# Altium PCB BeagleNode_revA.PcbDoc (part 2 of 2) (continued)
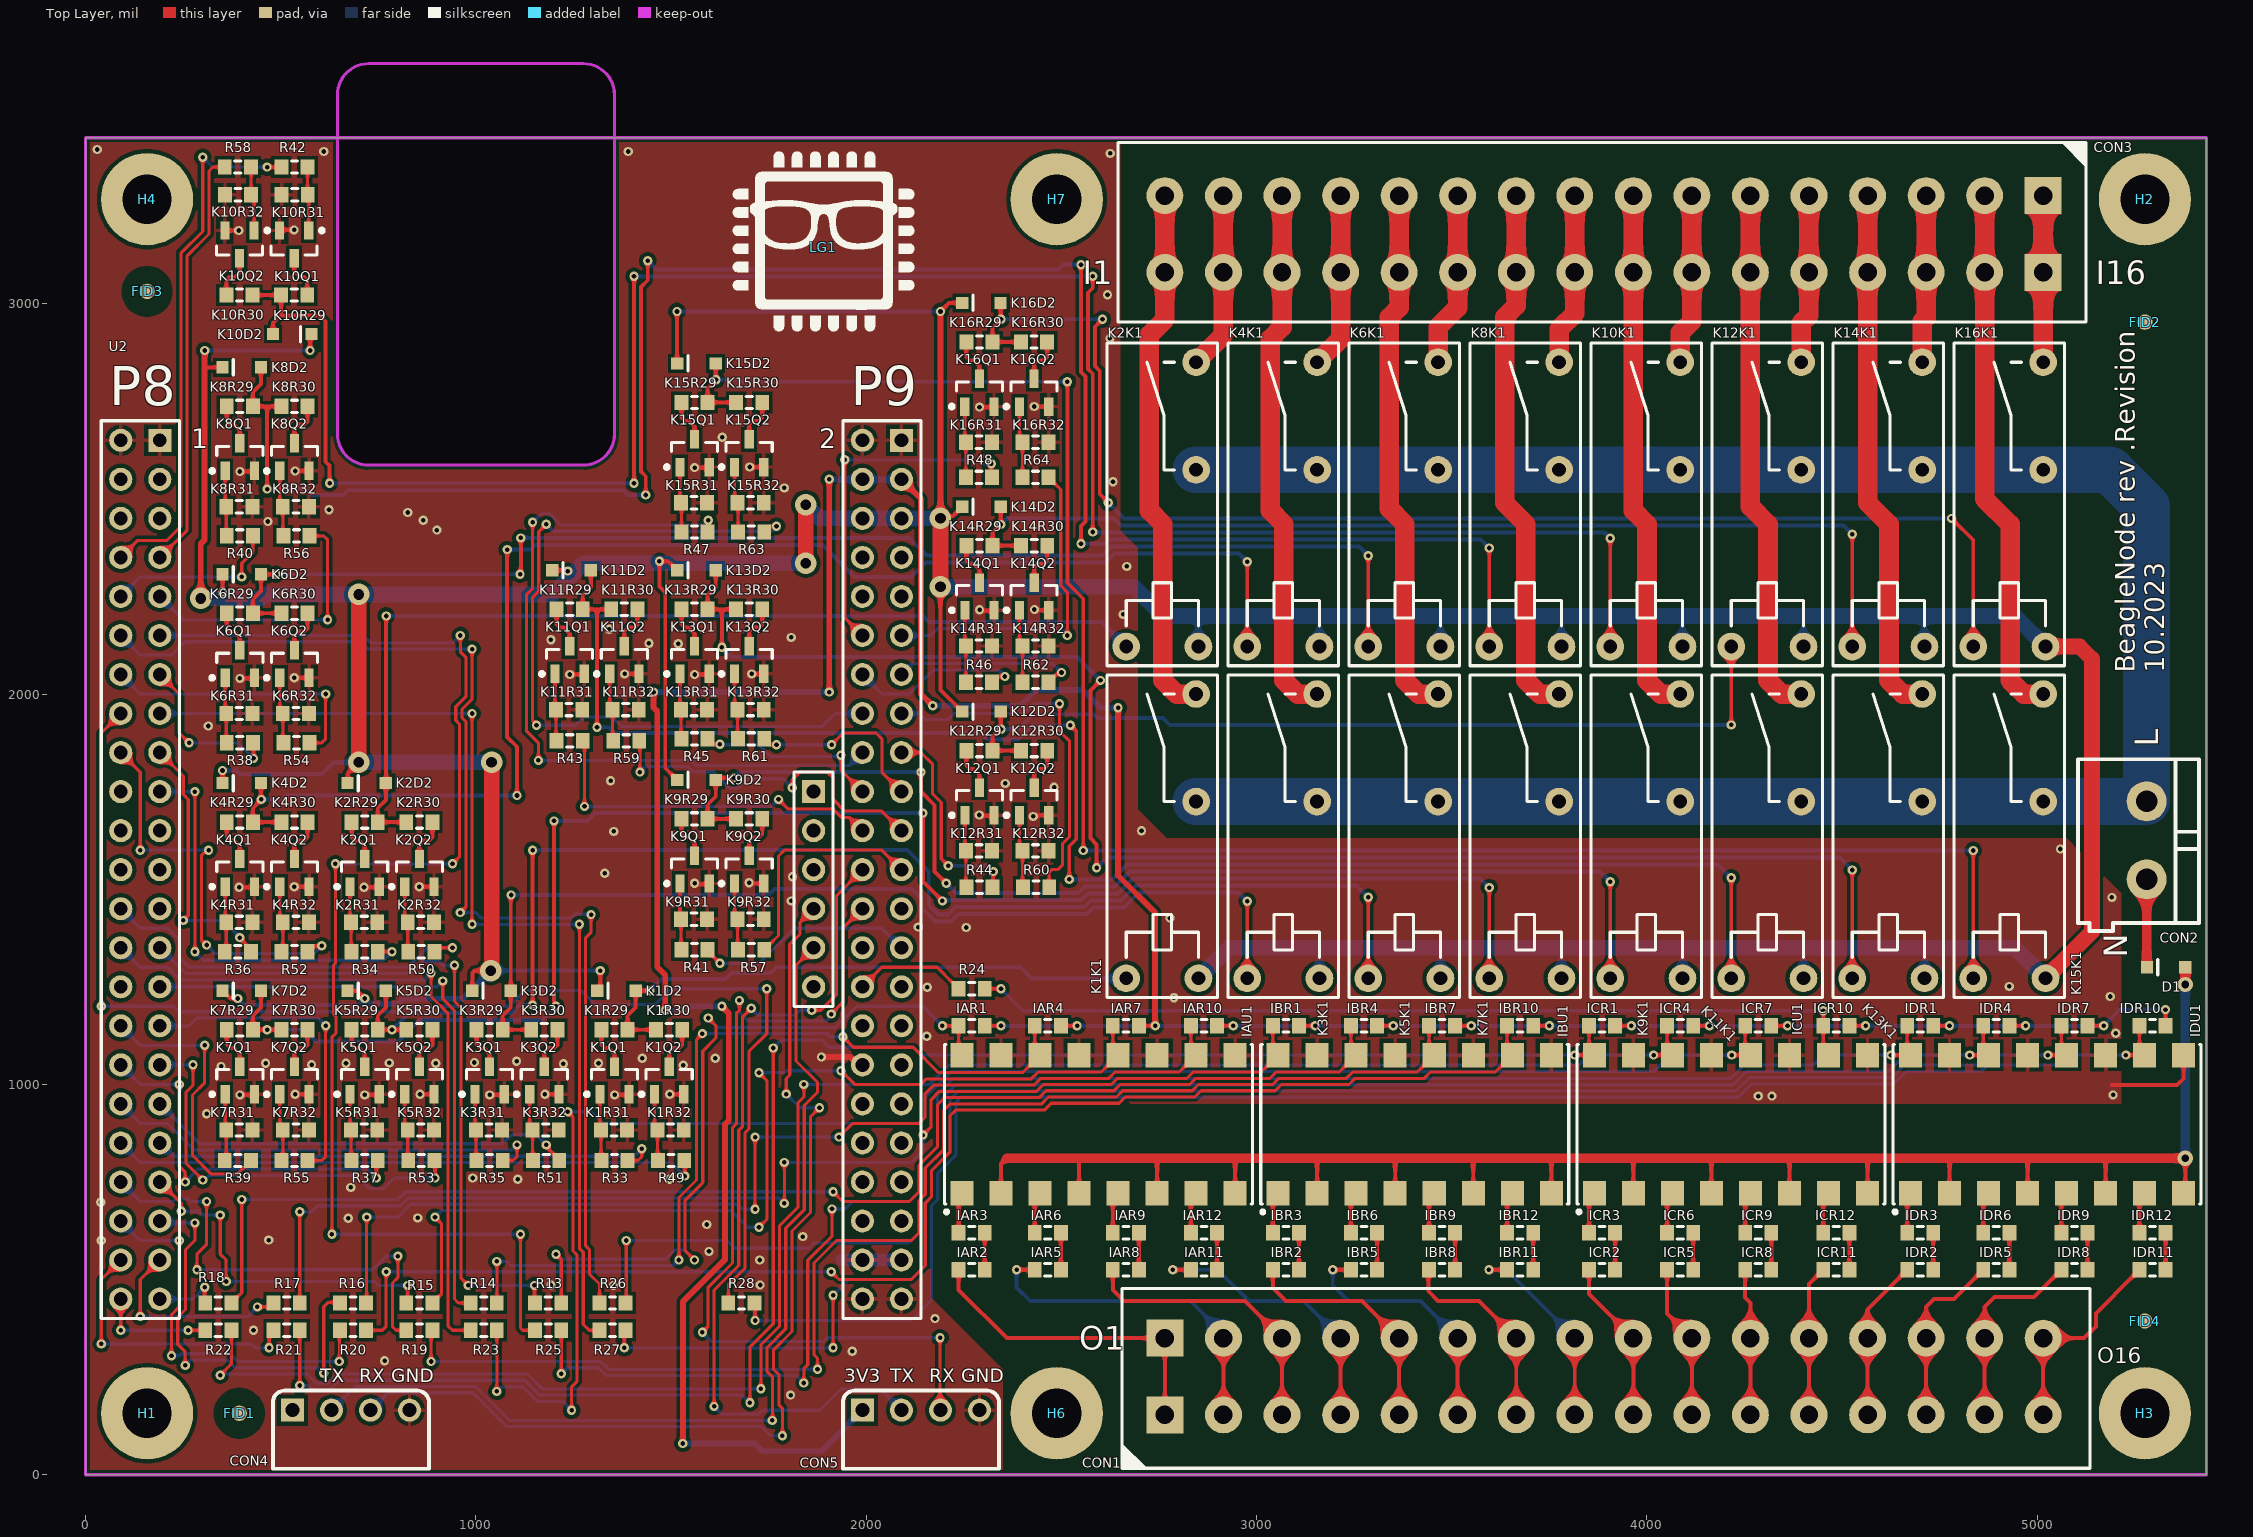
[diagram p0: Top Layer view]
## Nets (pads, with @x,y where several pads share a name; then routed paths per layer and width w, separated by ;. In a path a pad name is that pad's centre, name@x,y a point inside that pad or via, vN(x,y) a via of type N, cw(c..) or ccw(c..) an arc to the next point about the centre after c; other vN are vias at no path point) (continued)
NetIDR12_1: IDR12.1 IDU1.7 | length 92.2
  Top Layer w10: IDR12.1@5261.54,620 IDU1.7@5261.54,712.2
NetK1Q1_3: K1Q1.3 K1R29.2 | length 114.3
  Top Layer w10: K1R29.2@1321.54,1140 1321.54,1101.73 1330.19,1093.08 1340.19,1093.08 1355,1078.27 K1Q1.3@1355,1045.43
NetK1Q2_3: K1Q2.3 K1R30.2 | length 117.2
  Top Layer w10: K1Q2.3@1495,1045.43 1495,1082.89 1505.19,1093.08 1520.19,1093.08 1528.46,1101.35 K1R30.2@1528.46,1140
NetK2Q1_3: K2Q1.3 K2R29.2 | length 114.3
  Top Layer w10: K2R29.2@681.54,1671.92 681.54,1633.66 690.19,1625 700.19,1625 715,1610.19 K2Q1.3@715,1577.35
NetK2Q2_3: K2Q2.3 K2R30.2 | length 117.2
  Top Layer w10: K2Q2.3@855,1577.35 855,1614.81 865.19,1625 880.19,1625 888.46,1633.27 K2R30.2@888.46,1671.92
NetK3Q1_3: K3Q1.3 K3R29.2 | length 114.3
  Top Layer w10: K3R29.2@1001.54,1140 1001.54,1101.73 1010.19,1093.08 1020.19,1093.08 1035,1078.27 K3Q1.3@1035,1045.43
NetK3Q2_3: K3Q2.3 K3R30.2 | length 117.2
  Top Layer w10: K3Q2.3@1175,1045.43 1175,1082.89 1185.19,1093.08 1200.19,1093.08 1208.46,1101.35 K3R30.2@1208.46,1140
NetK4Q1_3: K4Q1.3 K4R29.2 | length 114.3
  Top Layer w10: K4R29.2@361.54,1671.92 361.54,1633.66 370.19,1625 380.19,1625 395,1610.19 K4Q1.3@395,1577.35
NetK4Q2_3: K4Q2.3 K4R30.2 | length 117.2
  Top Layer w10: K4Q2.3@535,1577.35 535,1614.81 545.19,1625 560.19,1625 568.46,1633.27 K4R30.2@568.46,1671.92
NetK5Q1_3: K5Q1.3 K5R29.2 | length 114.3
  Top Layer w10: K5R29.2@681.54,1140 681.54,1101.73 690.19,1093.08 700.19,1093.08 715,1078.27 K5Q1.3@715,1045.43
NetK5Q2_3: K5Q2.3 K5R30.2 | length 117.2
  Top Layer w10: K5Q2.3@855,1045.43 855,1082.89 865.19,1093.08 880.19,1093.08 888.46,1101.35 K5R30.2@888.46,1140
NetK6Q1_3: K6Q1.3 K6R29.2 | length 114.3
  Top Layer w10: K6R29.2@361.54,2206.92 361.54,2168.66 370.19,2160 380.19,2160 395,2145.19 K6Q1.3@395,2112.35
NetK6Q2_3: K6Q2.3 K6R30.2 | length 117.2
  Top Layer w10: K6Q2.3@535,2112.35 535,2149.81 545.19,2160 560.19,2160 568.46,2168.27 K6R30.2@568.46,2206.92
NetK7Q1_3: K7Q1.3 K7R29.2 | length 114.3
  Top Layer w10: K7R29.2@361.54,1140 361.54,1101.73 370.19,1093.08 380.19,1093.08 395,1078.27 K7Q1.3@395,1045.43
NetK7Q2_3: K7Q2.3 K7R30.2 | length 117.2
  Top Layer w10: K7Q2.3@535,1045.43 535,1082.89 545.19,1093.08 560.19,1093.08 568.46,1101.35 K7R30.2@568.46,1140
NetK8Q1_3: K8Q1.3 K8R29.2 | length 114.3
  Top Layer w10: K8R29.2@361.54,2736.92 361.54,2698.66 370.19,2690 380.19,2690 395,2675.19 K8Q1.3@395,2642.35
NetK8Q2_3: K8Q2.3 K8R30.2 | length 117.2
  Top Layer w10: K8Q2.3@535,2642.35 535,2679.81 545.19,2690 560.19,2690 568.46,2698.27 K8R30.2@568.46,2736.92
NetK9Q1_3: K9Q1.3 K9R29.2 | length 114.3
  Top Layer w10: K9R29.2@1526.54,1680 1526.54,1641.73 1535.19,1633.08 1545.19,1633.08 1560,1618.27 K9Q1.3@1560,1585.43
NetK9Q2_3: K9Q2.3 K9R30.2 | length 117.2
  Top Layer w10: K9Q2.3@1700,1585.43 1700,1622.89 1710.19,1633.08 1725.19,1633.08 1733.46,1641.35 K9R30.2@1733.46,1680
NetK10Q1_3: K10Q1.3 K10R29.2 | length 114.3
  Top Layer w10: K10Q1.3@534.21,3116.67 534.21,3083.83 549.02,3069.02 559.02,3069.02 567.68,3060.37 K10R29.2@567.68,3022.1
NetK10Q2_3: K10Q2.3 K10R30.2 | length 117.2
  Top Layer w10: K10R30.2@360.75,3022.1 360.75,3060.75 369.02,3069.02 384.02,3069.02 394.21,3079.21 K10Q2.3@394.21,3116.67
NetK11Q1_3: K11Q1.3 K11R29.2 | length 114.3
  Top Layer w10: K11R29.2@1206.54,2216.92 1206.54,2178.66 1215.19,2170 1225.19,2170 1240,2155.19 K11Q1.3@1240,2122.35
NetK11Q2_3: K11Q2.3 K11R30.2 | length 117.2
  Top Layer w10: K11Q2.3@1380,2122.35 1380,2159.81 1390.19,2170 1405.19,2170 1413.46,2178.27 K11R30.2@1413.46,2216.92
NetK12Q1_3: K12Q1.3 K12R29.2 | length 114.3
  Top Layer w10: K12R29.2@2256.54,1855 2256.54,1816.73 2265.19,1808.08 2275.19,1808.08 2290,1793.27 K12Q1.3@2290,1760.43
NetK12Q2_3: K12Q2.3 K12R30.2 | length 117.2
  Top Layer w10: K12Q2.3@2430,1760.43 2430,1797.89 2440.19,1808.08 2455.19,1808.08 2463.46,1816.35 K12R30.2@2463.46,1855
NetK13Q1_3: K13Q1.3 K13R29.2 | length 114.3
  Top Layer w10: K13R29.2@1526.54,2216.92 1526.54,2178.66 1535.19,2170 1545.19,2170 1560,2155.19 K13Q1.3@1560,2122.35
NetK13Q2_3: K13Q2.3 K13R30.2 | length 117.2
  Top Layer w10: K13Q2.3@1700,2122.35 1700,2159.81 1710.19,2170 1725.19,2170 1733.46,2178.27 K13R30.2@1733.46,2216.92
NetK14Q1_3: K14Q1.3 K14R29.2 | length 114.3
  Top Layer w10: K14R29.2@2256.54,2380 2256.54,2341.73 2265.19,2333.08 2275.19,2333.08 2290,2318.27 K14Q1.3@2290,2285.43
NetK14Q2_3: K14Q2.3 K14R30.2 | length 117.2
  Top Layer w10: K14Q2.3@2430,2285.43 2430,2322.89 2440.19,2333.08 2455.19,2333.08 2463.46,2341.35 K14R30.2@2463.46,2380
NetK15Q1_3: K15Q1.3 K15R29.2 | length 114.3
  Top Layer w10: K15R29.2@1526.54,2746.92 1526.54,2708.66 1535.19,2700 1545.19,2700 1560,2685.19 K15Q1.3@1560,2652.35
NetK15Q2_3: K15Q2.3 K15R30.2 | length 117.2
  Top Layer w10: K15Q2.3@1700,2652.35 1700,2689.81 1710.19,2700 1725.19,2700 1733.46,2708.27 K15R30.2@1733.46,2746.92
NetK16Q1_3: K16Q1.3 K16R29.2 | length 114.3
  Top Layer w10: K16R29.2@2256.34,2901.92 2256.34,2863.66 2265,2855 2275,2855 2289.81,2840.19 K16Q1.3@2289.81,2807.35
NetK16Q2_3: K16Q2.3 K16R30.2 | length 117.2
  Top Layer w10: K16Q2.3@2429.81,2807.35 2429.81,2844.81 2440,2855 2455,2855 2463.27,2863.27 K16R30.2@2463.27,2901.92
OUT1: R33.1 U2.37 | length 1317.6
  Top Layer w8: R33.1@1388.46,805 1415,805 1425,815 v1(1425,835)
  Bottom Layer w8: U2.37@190,850 224,816 1406,816 v1(1425,835)
OUT2: R34.1 U2.19 | length 1059.8
  Top Layer w8: v1(280,1340) v1(280,1750) ; R34.1@748.46,1340 v1(785,1340)
  Bottom Layer w8: U2.19@190,1750 v1(280,1750) ; v1(280,1340) 302,1318 763,1318 v1(785,1340)
OUT3: R35.1 U2.36 | length 1139.9
  Top Layer w8: R35.1@1068.46,805 1095,805 1105,815 v1(1105,845)
  Bottom Layer w8: U2.36@90,950 140.11,899.89 210.11,899.89 278,832 1092,832 v1(1105,845)
OUT4: R36.1 U2.17 | length 687.4
  Top Layer w8: U2.17@190,1850 250,1790 250,1742.79 263,1729.79 263,1433 v1(250,1420) ; v1@395,1375 R36.1@423.46,1346.54 ; R36.1@410.25,1353.22 R36.1@423.46,1340
  Bottom Layer w8: v1(250,1420) 352,1420 v1@395,1377
  other v1: 395,1376
OUT5: R37.1 U2.34 | length 987
  Top Layer w8: v1(240,1000) 240,790 255,775 v1(255,750) ; v1(745,760) 745,801.54 R37.1@748.46,805
  Bottom Layer w8: U2.34@90,1050 140,1000 v1(240,1000) ; v1(255,750) 288.5,783.5 721.5,783.5 v1(745,760)
OUT6: R38.1 U2.13 | length 428.3
  Top Layer w8: U2.13@190,2050 240,2000 240,1900 v1(265,1875) ; R38.1@428.46,1875 430,1873.46 v1(430,1835)
  Bottom Layer w8: v1(265,1875) 390,1875 v1(430,1835)
OUT7: R39.1 U2.32 | length 715.4
  Top Layer w8: v1(305,1100) 305,1003.75 274,972.75 274,818.21 322.21,770 388.46,770 408.28,789.81 410.25,789.81 423.46,803.03 R39.1@423.46,805
  Bottom Layer w8: U2.32@90,1150 140,1100 v1(305,1100)
OUT8: R40.1 U2.10 | length 447.5
  Top Layer w8: v1(400,2300) 400,2335 428.46,2363.46 R40.1@428.46,2405
  Bottom Layer w8: U2.10@90,2250 140,2300 v1(400,2300)
OUT9: R41.1 U2.73 | length 571.1
  Top Layer w8: R41.1@1593.46,1345 1607.18,1331.28 1607.18,1327.82 v1(1625,1310)
  Bottom Layer w8: v1(1625,1310) 1725,1310 1815,1400 2040,1400 U2.73@2090,1350
OUT10: R42.1 U2.8 | length 1370
  Top Layer w8: U2.8@90,2350 133.53,2393.53 208.53,2393.53 244,2429 244,3129 300,3185 v1(300,3375) ; v1(465,3350) R42.1@501.54,3350 R42.1@500,3351.54
  Bottom Layer w8: v1(300,3375) 325,3350 v1(465,3350)
OUT11: R43.1 U2.68 | length 926.7
  Top Layer w8: R43.1@1273.46,1880 1278,1875.46 v1(1278,1712) ; v1(1775,1730) 1800,1705 1915,1705 1936,1684 1956,1684 U2.68@1990,1650
  Bottom Layer w8: v1@1275,1715 v1(1278,1712) 1757,1712 v1(1775,1730)
OUT12: R44.1 U2.63 | length 530.8
  Top Layer w8: U2.63@2090,1850 2140,1850 2170,1820 2170,1744.04 2192,1722.04 2192,1578 v1(2210,1560) ; R44.1@2323.46,1505 2325,1506.54 v1(2325,1545)
  Bottom Layer w8: v1(2210,1560) 2310,1560 v1(2325,1545)
OUT13: R45.1 U2.66 | length 451.6
  Top Layer w8: R45.1@1607.18,1871.28 v1@1620,1871.28 ; v1(1935,1843) 1935,1805 U2.66@1990,1750
  Bottom Layer w8: v1(1625,1871.28) 1626.28,1870 1725,1870 1755,1840 v1@1935,1840
OUT14: R46.1 U2.60 | length 458.3
  Top Layer w8: R46.1@2322.12,2030 2322.12,2031.28 2335.84,2045 v1(2355,2045)
  Bottom Layer w8: U2.60@1990,2050 2040,2000 2110,2000 2172,2062 2338,2062 v1(2355,2045)
OUT15: R47.1 U2.64 | length 1984.1
  Top Layer w8: v1(1145,2440) 1145,2270 1129.19,2254.19 1129.19,1905.81 1160,1875 v1(1160,1830) ; R47.1@1593.46,2415 1595,2416.54 v1(1595,2445)
  Bottom Layer w8: v1(1145,2440) 1165.81,2460.81 1190.69,2460.81 1218.5,2433 1583,2433 v1(1595,2445) ; v1(1160,1830) 1550,1830 1563,1817 1957,1817 U2.64@1990,1850
OUT16: R48.1 U2.58 | length 883.6
  Top Layer w8: v1(1945,2600) 1945,2195 U2.58@1990,2150 ; v1(2320,2590) 2320,2556.93 R48.1@2321.93,2555
  Bottom Layer w8: v1(1945,2600) 2285,2600 2295,2590 v1(2320,2590)
OUT17: R49.1 U2.38 | length 1520.8
  Top Layer w8: R49.1@1533.46,805 1535,803.46 v1(1535,765)
  Bottom Layer w8: U2.38@90,850 140,800 1500,800 v1(1535,765)
OUT18: R50.1 U2.26 | length 1009.1
  Top Layer w8: R50.1@893.46,1340 903.46,1350 v1(940,1350)
  Bottom Layer w8: U2.26@90,1450 140,1400 210,1400 240,1370 240,1325 264,1301 826.96,1301 875.96,1350 v1(940,1350)
OUT19: R51.1 U2.35 | length 1106.3
  Top Layer w8: v1(1180,845) 1182.99,842.01 1182.99,837.44 1213.46,806.97 R51.1@1213.46,805
  Bottom Layer w8: U2.35@190,950 292,848 1068,848 1090,870 1093.5,870 1094.31,870.81 1154.19,870.81 v1(1180,845)
OUT20: R52.1 U2.18 | length 1060
  Top Layer w8: U2.18@90,1850 140,1800 v1(140,1600) ; v1(310,1357) 309.58,1357 297,1369.58 297,1587 303.6,1593.6 304.65,1593.6 311.04,1600 v1(315,1600) ; R52.1@568.46,1340 568.46,1340.22 582.18,1353.94 603.94,1353.94 v1(605,1355)
  Bottom Layer w8: v1(140,1600) v1(315,1600) ; v1(310,1357) 332,1335 585,1335 v1(605,1355)
OUT21: R53.1 U2.33 | length 1075.2
  Top Layer w8: v1(275,1050) 275,997.79 257,979.79 257,798 v1(300,755) ; R53.1@893.46,805 895,803.46 v1(895,760)
  Bottom Layer w8: U2.33@190,1050 v1(275,1050) ; v1(300,755) 303.96,755 310.35,761.4 311.4,761.4 316.5,766.5 693.5,766.5 726.31,733.69 763.69,733.69 790,760 v1(895,760)
OUT22: R54.1 U2.14 | length 706.4
  Top Layer w8: R54.1@573.46,1875 605,1875 615,1885 v1(615,2000)
  Bottom Layer w8: U2.14@90,2050 140,2000 v1(615,2000)
OUT23: R55.1 U2.31 | length 827.2
  Top Layer w8: R55.1@568.46,805 605,805 615,815 v1(615,1150)
  Bottom Layer w8: U2.31@190,1150 265,1150 285,1170 595,1170 v1(615,1150)
OUT24: R56.1 U2.9 | length 710.5
  Top Layer w8: R56.1@573.46,2405 610,2405 620,2395 v1(620,2190)
  Bottom Layer w8: U2.9@190,2250 250,2190 v1(620,2190)
OUT25: R57.1 U2.69 | length 598.2
  Top Layer w8: R57.1@1738.46,1345 1738.46,1346.97 1752.18,1360.69 1754.15,1360.69 1775,1381.54 1775,1585 1790,1600 2040,1600 U2.69@2090,1550
OUT26: R58.1 U2.7 | length 1086.9
  Top Layer w8: U2.7@190,2350 260,2420 260,3122.37 316,3178.37 316,3340 326,3350 R58.1@356.54,3350
OUT27: R59.1 U2.67 | length 921.2
  Top Layer w8: R59.1@1418.46,1880 1420,1878.46 v1(1420,1800) ; v1(1810,1760) 1810,1780 1830,1800 1900,1800 1915,1785 1915,1730 1945,1700 2040,1700 U2.67@2090,1650
  Bottom Layer w8: v1(1420,1800) 1434,1814 1543.37,1814 1556.37,1801 1607.5,1801 1649.31,1759.19 1670.69,1759.19 1694.5,1783 1787,1783 v1(1810,1760)
OUT28: R60.1 U2.61 | length 939
  Top Layer w8: R60.1@2468.46,1505 2468.46,1543.46 2475,1550 2490,1550 2503,1563 2503,1617.04 2520.87,1634.91 2520.87,1879.13 2495,1905 v1(2495,1975)
  Bottom Layer w8: U2.61@2090,1950 2135,1950 2150,1935 2210,1935 2225.5,1950.5 2403.08,1950.5 2427.58,1975 v1(2495,1975)
OUT29: R61.1 U2.65 | length 486.9
  Top Layer w8: R61.1@1738.46,1885 1738.46,1883.72 1752.18,1870 v1@1765,1870 ; v1(1911,1870) 1941,1900 2025,1900 2040,1885 2040,1800 U2.65@2090,1750
  Bottom Layer w8: v1@1765,1870 v1(1770,1870) v1(1911,1870) v1@1915,1870
OUT30: R62.1 U2.59 | length 475.5
  Top Layer w8: R62.1@2467.12,2030 2467.12,2031.97 2480.84,2045.69 2482.8,2045.69 2489.13,2052.01 2497.01,2052.01 v1(2500,2055)
  Bottom Layer w8: U2.59@2090,2050 2118,2078 2477,2078 v1(2500,2055)
OUT31: R63.1 U2.62 | length 2042
  Top Layer w8: v1(1155,1920) 1155,1922.69 1145.19,1932.5 1145.19,2247.56 1161,2263.37 1161,2416 v1(1180,2435) ; R63.1@1738.46,2415 1738.46,2416.28 1752.18,2430 v1(1770,2430)
  Bottom Layer w8: v1(1155,1920) 1255,1920 1275.81,1940.81 1349.19,1940.81 1373,1917 1887,1917 1920,1950 U2.62@1990,1950 ; v1(1180,2435) 1198,2417 1757,2417 v1(1770,2430)
OUT32: R64.1 U2.57 | length 866
  Top Layer w8: R64.1@2466.93,2555 2466.93,2553.03 2480.65,2539.31 2482.61,2539.31 2498,2523.93 2498,2277.96 2515,2260.96 v1(2515,2150)
  Bottom Layer w8: U2.57@2090,2150 2165,2150 2183,2168 2497,2168 v1(2515,2150)
OUTA1: IAR1.1 IAU1.16 R13.2 | length 1938.8
  Top Layer w8: v1(1205,565) 1218.46,551.54 R13.2@1218.46,440 ; v1(1560,550) 1536,574 1536,703.37 1581,748.37 1581,1085 1615,1119 1615,1150 v1(1595,1170) ; v1(2195,1150) IAR1.1@2236.54,1150 IAU1.16@2236.54,1088.46
  Bottom Layer w8: v1(1205,565) 1205,564.5 1217.5,552 1485.5,552 1509.31,575.81 1534.19,575.81 v1(1560,550) ; v1(1595,1170) 1619,1146 1921,1146 1975,1200 2145,1200 v1(2195,1150)
OUTA2: IAR4.1 IAU1.14 R14.2 | length 2175.8
  Top Layer w8: R14.2@1053.46,440 v1(1053.46,546.54) ; v1(1520,550) 1520,710 1565,755 1565,1115 v1(1580,1130) ; v1(1940,1122) 1967,1095 2120,1095 2185,1030 2400,1030 2417.5,1047.5 2419.47,1047.5 2445,1073.03 IAU1.14@2445,1075 ; IAU1.14@2431.54,1088.46 IAR4.1@2431.54,1150
  Bottom Layer w8: v1(1053.46,546.54) 1078.46,546.54 1089,536 1506,536 v1(1520,550) ; v1(1580,1130) 1900,1130 1908,1122 v1(1940,1122)
OUTA3: IAR7.1 IAU1.12 R15.2 | length 2535.9
  Top Layer w8: R15.2@888.46,440 888.46,441.97 902.18,455.69 904.15,455.69 911.5,463.04 911.5,643.5 v1(895,660) ; v1(1725,634) 1745.74,654.74 1745.74,1009.26 v1(1725,1030) ; v1(1935,1035) 1970,1000 2140,1000 2154,1014 2422.86,1014 2440.37,1031.5 2601.5,1031.5 2617.5,1047.5 2619.47,1047.5 2645,1073.03 IAU1.12@2645,1075 ; IAU1.12@2631.54,1088.46 IAR7.1@2631.54,1150
  Bottom Layer w8: v1(895,660) 912,677 1653,677 1696,634 v1(1725,634) ; v1(1725,1030) 1790,1030 1795,1035 v1(1935,1035)
OUTA4: IAR10.1 IAU1.10 R16.2 | length 2734.5
  Top Layer w8: R16.2@718.46,440 720,441.54 v1(720,660) ; v1(1715,680) v1(1715,865) ; v1(1930,865) 1965,900 2135,900 2150,915 2150,975 2173,998 2429.49,998 2446.99,1015.5 2469.62,1015.5 2620.99,1015.5 2636.99,1031.5 2642.5,1031.5 2801.5,1031.5 2817.5,1047.5 2819.47,1047.5 2845,1073.03 IAU1.10@2845,1075 ; IAU1.10@2831.54,1088.46 IAR10.1@2831.54,1150
  Bottom Layer w8: v1(720,660) 800.25,660 833.25,693 1669.63,693 1682.63,680 v1(1715,680) ; v1(1715,865) v1(1930,865)
OUTB1: IBR1.1 IBU1.16 R17.2 | length 3106.6
  Top Layer w8: R17.2@548.46,440 v1(548.46,673.46) ; v1(1790,695) v1(1790,800) ; v1(2145,870) 2166,891 2166,961 2187,982 2436.12,982 2453.62,999.5 2462.5,999.5 2627.62,999.5 2643.62,1015.5 2654.5,1015.5 2821.62,1015.5 2837.62,1031.5 2845.5,1031.5 3011.5,1031.5 3027.5,1047.5 3029.47,1047.5 3055,1073.03 IBU1.16@3055,1075 ; IBU1.16@3041.54,1088.46 IBR1.1@3041.54,1150
  Bottom Layer w8: v1(548.46,673.46) 579.54,673.46 595.07,689 806.63,689 826.63,709 1776,709 v1(1790,695) ; v1(1790,800) 2115,800 2145,830 v1(2145,870)
OUTB2: IBR4.1 IBU1.14 R18.2 | length 3471.3
  Top Layer w8: R18.2@373.46,440 373.46,441.97 387.18,455.69 389.15,455.69 400,466.54 v1(400,705) ; v1(1915,725) 1940,700 2110,700 2135,725 2135,792.37 2182,839.37 2182,947 2201,966 2442.75,966 2460.25,983.5 2482.88,983.5 2634.25,983.5 2650.25,999.5 2659.5,999.5 2828.25,999.5 2844.25,1015.5 2853.5,1015.5 3034.25,1015.5 3050.25,1031.5 3058.5,1031.5 3211.5,1031.5 3227.5,1047.5 3229.47,1047.5 3255,1073.03 IBU1.14@3255,1075 ; IBU1.14@3241.54,1088.46 IBR4.1@3241.54,1150
  Bottom Layer w8: v1(400,705) 800,705 820,725 v1(1915,725)
OUTB3: IBR7.1 IBU1.12 R19.2 | length 3374.6
  Top Layer w8: v1(885,290) 885,366.54 R19.2@888.46,370 ; v1(1875,270) 1875,298 1866,307 1866,542.37 1923.63,600 2115,600 2135,620 2135,702.37 2151,718.37 2151,785.75 2198,832.75 2198,933 2215,950 2449.37,950 2466.88,967.5 2489.5,967.5 2640.88,967.5 2656.88,983.5 2663.5,983.5 2834.88,983.5 2850.88,999.5 2858.5,999.5 3040.88,999.5 3056.88,1015.5 3062.5,1015.5 3229.88,1015.5 3245.88,1031.5 3253.5,1031.5 3411.5,1031.5 3427.5,1047.5 3429.47,1047.5 3455,1073.03 IBU1.12@3455,1075 ; IBU1.12@3441.54,1088.46 IBR7.1@3441.54,1150
  Bottom Layer w8: v1(885,290) 1320,290 1340,270 v1(1875,270)
OUTB4: IBR10.1 IBU1.10 R20.2 | length 3577.3
  Top Layer w8: R20.2@718.46,370 760,370 770,380 v1(770,520) ; v1(1910,520) 1930,500 2115,500 2151,536 2151,695.75 2167,711.75 2167,779.12 2214,826.12 2214,919 2229,934 2456,934 2473.5,951.5 2647.5,951.5 2663.5,967.5 2841.5,967.5 2857.5,983.5 3047.5,983.5 3063.5,999.5 3236.5,999.5 3252.5,1015.5 3429.5,1015.5 3445.5,1031.5 3611.5,1031.5 3627.5,1047.5 3629.47,1047.5 3655,1073.03 IBU1.10@3655,1075 ; IBU1.10@3641.54,1088.46 IBR10.1@3641.54,1150
  Bottom Layer w8: v1(770,520) v1(1910,520)
OUTC1: ICR1.1 ICU1.16 R21.2 | length 4466.3
  Top Layer w8: v1(548.46,228.46) R21.2@548.46,370 ; v1@1701.74,179.4 v1(1701.74,184.4) 1701.74,326.74 1761.74,386.74 v1(1761.74,1093.26) ; v1(3815,1075) ICU1.16@3865,1075 ; ICU1.16@3851.54,1088.46 ICR1.1@3851.54,1150
  Bottom Layer w8: v1(548.46,228.46) 571.54,228.46 581.81,218.19 627.32,218.19 651.13,242 1125.37,242 1163.37,204 1682.14,204 v1(1701.74,184.4) ; v1@1699.24,181.9 v1@1701.74,179.4 ; v1@1760,1095 v1@1761.74,1095 ; v1(1761.74,1093.26) 1782.48,1114 1886,1114 1905,1095 2120,1095 2140,1075 v1(3815,1075)
OUTC2: ICR4.1 ICU1.14 R22.2 | length 4691.7
  Top Layer w8: v1(345,255) 373.46,283.46 R22.2@373.46,370 ; v1(1730,220) 1730,332.37 1777.74,380.11 1777.74,637.74 1825,685 1825,952.63 1840,967.63 v1(1840,1000) ; v1@4015,1075 ICU1.14@4065,1075 ; ICU1.14@4051.54,1088.46 ICR4.1@4051.54,1150
  Bottom Layer w8: v1(345,255) 347.99,257.99 357.49,257.99 567,258 590.81,234.19 620.69,234.19 644.5,258 1132,258 1170,220 v1(1730,220) ; v1(1840,1000) 2162.37,1000 2211.56,1049.19 3825.69,1049.19 3851.5,1075 v1@4015,1075
  other v1: 4017,1075
OUTC3: ICR7.1 ICU1.12 R23.2 | length 4363.8
  Top Layer w8: v1(1053.46,213.46) R23.2@1053.46,370 ; v1(1235,930) 1248.5,916.5 1248.5,573.17 1258.5,563.17 1258.5,238.5 1245,225 v1(1245,165) ; v1@4215,1075 ICU1.12@4265,1075 ; ICU1.12@4251.54,1088.46 ICR7.1@4251.54,1150
  Bottom Layer w8: v1(1053.46,213.46) 1054.43,213.46 1065.96,225 1119.75,225 1156.75,188 1222,188 v1(1245,165) ; v1(1235,930) 1295,930 1325,900 2135,900 2150,915 2150,965 2218.19,1033.19 4018.19,1033.19 4060,1075 v1@4215,1075
  other v1: 4217,1075
OUTC4: ICR10.1 ICU1.10 R24.2 | length 2271.5
  Top Layer w8: R24.2@2303.46,1245 v1(2345,1245) ; ICU1.10@4451.54,1088.46 ICR10.1@4451.54,1150 v1(4451.54,1188.46)
  Bottom Layer w8: v1(2345,1245) 2401.54,1188.46 v1(4451.54,1188.46)
OUTD1: IDR1.1 IDU1.16 R25.2 | length 4337.6
  Top Layer w8: v1(1218.46,258.46) R25.2@1218.46,370 ; v1(1840,235) 1840,271.5 1850,281.5 1850,549 1912,611 v1(1912,681) ; v1(4625,1075) IDU1.16@4675,1075 ; IDU1.16@4666.54,1088.46 IDR1.1@4666.54,1150
  Bottom Layer w8: v1(1218.46,258.46) 1234,274 1313.37,274 1333.37,254 1821,254 v1(1840,235) ; v1(1912,681) 1946,681 1965,700 2110,700 2135,725 2135,792.37 2182,839.37 2182,974.12 2222.88,1015 4214.13,1015 4248.32,1049.19 4425.69,1049.19 4451.5,1075 v1(4625,1075)
OUTD2: IDR4.1 IDU1.14 R26.2 | length 4092.1
  Top Layer w8: R26.2@1383.46,440 1385,441.54 v1(1385,600) ; v1@4825,1075 IDU1.14@4875,1075 ; IDU1.14@4861.54,1088.46 IDR4.1@4861.54,1150
  Bottom Layer w8: v1(1385,600) 1643,600 1663,580 1852,580 1866,594 2109,594 2135,620 2135,702.37 2151,718.37 2151,785.75 2198,832.75 2198,967.49 2229.51,999 4220.76,999 4254.95,1033.19 4619.69,1033.19 4661.5,1075 v1@4825,1075
  other v1: 4827,1075
OUTD3: IDR7.1 IDU1.12 R27.2 | length 4409.7
  Top Layer w8: v1(1380,325) 1380,366.54 R27.2@1383.46,370 ; v1(1915,325) v1@1915,465 ; v1@5025,1075 IDU1.12@5075,1075 ; IDU1.12@5061.54,1088.46 IDR7.1@5061.54,1150
  Bottom Layer w8: v1(1380,325) v1(1915,325) ; v1(1915,460) 1955,500 2115,500 2151,536 2151,695.75 2167,711.75 2167,779.12 2214,826.12 2214,960.86 2236.14,983 4227.38,983 4261.57,1017.19 4626.32,1017.19 4658.32,1049.19 4848.19,1049.19 4874,1075 v1@5025,1075
  other v1: 5027,1075
OUTD4: IDR10.1 IDU1.10 R28.2 | length 4228.1
  Top Layer w8: R28.2@1713.46,440 1715,438.46 v1(1715,395) ; v1@5225,1075 IDU1.10@5275,1075 5261.54,1088.46 IDR10.1@5261.54,1150
  Bottom Layer w8: v1(1715,395) 2115,395 2167,447 2167,689.12 2183,705.12 2183,772.49 2230,819.49 2230,954.24 2242.76,967 4234.01,967 4268.2,1001.19 4632.95,1001.19 4664.95,1033.19 4856.19,1033.19 4872.19,1049.19 5044.19,1049.19 5070,1075 v1@5225,1075
  other v1: 5227,1075
PULL1: K1Q1.1 K1R31.1 R33.2 | length 171.2
  Top Layer w8: K1Q1.1@1317.6,974.57 1317.6,885.67 K1R31.1@1320.19,883.08 1320.19,806.34 R33.2@1321.54,805
PULL2: K2Q1.1 K2R31.1 R34.2 | length 168.1
  Top Layer w8: K2Q1.1@677.6,1506.49 677.6,1417.59 K2R31.1@680.19,1415 680.19,1341.34 R34.2@681.54,1340
PULL3: K3Q1.1 K3R31.1 R35.2 | length 171.2
  Top Layer w8: K3Q1.1@997.6,974.57 997.6,885.67 K3R31.1@1000.19,883.08 1000.19,806.34 R35.2@1001.54,805
PULL4: K4Q1.1 K4R31.1 R36.2 | length 169.1
  Top Layer w8: R36.2@356.54,1340 360.19,1343.66 K4R31.1@360.19,1415 357.6,1417.59 K4Q1.1@357.6,1506.49
PULL5: K5Q1.1 K5R31.1 R37.2 | length 171.2
  Top Layer w8: K5Q1.1@677.6,974.57 677.6,885.67 K5R31.1@680.19,883.08 680.19,806.34 R37.2@681.54,805
PULL6: K6Q1.1 K6R31.1 R38.2 | length 168.1
  Top Layer w8: K6Q1.1@357.6,2041.49 357.6,1952.59 K6R31.1@360.19,1950 360.19,1876.34 R38.2@361.54,1875
PULL7: K7Q1.1 K7R31.1 R39.2 | length 172.2
  Top Layer w8: R39.2@356.54,805 360.19,808.66 K7R31.1@360.19,883.08 357.6,885.67 K7Q1.1@357.6,974.57
PULL8: K8Q1.1 K8R31.1 R40.2 | length 168.1
  Top Layer w8: K8Q1.1@357.6,2571.49 357.6,2482.59 K8R31.1@360.19,2480 360.19,2406.34 R40.2@361.54,2405
PULL9: K9Q1.1 K9R31.1 R41.2 | length 171.2
  Top Layer w8: K9Q1.1@1522.6,1514.57 1522.6,1425.67 K9R31.1@1525.19,1423.08 1525.19,1346.34 R41.2@1526.54,1345
PULL10: K10Q1.1 K10R31.1 R42.2 | length 163.8
  Top Layer w8: R42.2@568.46,3350 568.46,3279.58 K10R31.1@569.02,3279.02 571.61,3276.43 K10Q1.1@571.61,3187.53
PULL11: K11Q1.1 K11R31.1 R43.2 | length 173.1
  Top Layer w8: K11Q1.1@1202.6,2051.49 1202.6,1962.59 K11R31.1@1205.19,1960 1205.19,1881.34 R43.2@1206.54,1880
PULL12: K12Q1.1 K12R31.1 R44.2 | length 186.2
  Top Layer w8: K12Q1.1@2252.6,1689.57 2252.6,1600.67 K12R31.1@2255.19,1598.08 2255.19,1506.34 R44.2@2256.54,1505
PULL13: K13Q1.1 K13R31.1 R45.2 | length 168.1
  Top Layer w8: K13Q1.1@1522.6,2051.49 1522.6,1962.59 K13R31.1@1525.19,1960 1525.19,1886.34 R45.2@1526.54,1885
PULL14: K14Q1.1 K14R31.1 R46.2 | length 185.6
  Top Layer w8: K14Q1.1@2252.6,2214.57 2252.6,2125.67 K14R31.1@2255.19,2123.08 R46.2@2255.19,2030
PULL15: K15Q1.1 K15R31.1 R47.2 | length 168.1
  Top Layer w8: K15Q1.1@1522.6,2581.49 1522.6,2492.59 K15R31.1@1525.19,2490 1526.54,2488.66 R47.2@1526.54,2415
PULL16: K16Q1.1 K16R31.1 R48.2 | length 182.6
  Top Layer w8: K16Q1.1@2252.41,2736.49 2252.41,2647.59 K16R31.1@2255,2645 R48.2@2255,2555
RX0_2: CON4.3 U2.96 | length 2621.1
  Top Layer w8: v1(1785,100) 1785,170 1776,179 1776,256.63 1762,270.63 1762,319.12 1809.74,366.86 1809.74,624.49 1857,671.75 1857,917 v1(1880,940) ; v1(1795,975) 1795,1015 1804,1024 1804,1359 1830,1385 1830,1415 U2.96@1865,1450
  Bottom Layer w8: CON4.3@729.8,165.35 774.45,210 992.37,210 1079.18,123.19 1731.81,123.19 1755,100 v1(1785,100) ; v1(1795,975) 1830,940 v1(1880,940)
RX1_2: CON5.3 U2.72 | length 2286.3
  Top Layer w8: v1(1580,365) 1594,379 1594,479.25 1657.19,542.44 1657.19,888.95 1667.19,898.95 1667.19,1182.19 1675,1190 v1(1675,1215) ; v1(1910,1180) 1940,1210 1940,1400 U2.72@1990,1450 ; v1(2189.01,350.81) 2189.01,166.34 CON5.3@2190,165.35
  Bottom Layer w8: v1(1580,365) 1604,341 1890,341 1899.81,350.81 v1(2189.01,350.81) ; v1(1675,1215) 1675,1185 1698,1162 1897,1162 1903.66,1168.66 1903.66,1169.44 1910,1175.77 v1(1910,1180)
TX0_2: CON4.2 U2.97 | length 2507.3
  Top Layer w8: v1@1760,135 1760,250 1746,264 1746,325.75 1793.74,373.49 1793.74,631.11 1841,678.37 1841,946 1875,980 1875,1005 1820,1060 1820,1305 U2.97@1865,1350
  Bottom Layer w8: CON4.2@629.8,165.35 690.45,226 999,226 1085.81,139.19 v1(1759.19,139.19) v1@1760,140
TX1_2: CON5.2 U2.70 | length 2191.7
  Top Layer w8: v1(1610,175) 1610,472.63 1673.19,535.82 1673.19,882.32 1683.19,892.32 1683.19,1173.19 v1(1705,1195) ; v1(1860,1190) 1883.5,1190 1924,1230.5 1924,1484 U2.70@1990,1550
  Bottom Layer w8: v1(1610,175) 1629.81,155.19 1725.19,155.19 1735,165 1880,165 1935,220 2035.35,220 CON5.2@2090,165.35 ; v1(1705,1195) 1722,1178 1818,1178 1830,1190 v1(1860,1190)
pads on no net: CON4.1 FID1.0 FID2.0 FID3.0 FID4.0 H1.1 H2.1 H3.1 H4.1 H6.1 H7.1 U2.3 U2.4 U2.5 U2.6 U2.20 U2.21 U2.22 U2.23 U2.24 U2.25 U2.30 U2.53 U2.54 U2.55 U2.56 U2.71 U2.74 U2.75 U2.77 U2.78 U2.79 U2.81 U2.82 U2.83 U2.84 U2.85 U2.86 U2.87 U2.88 U2.93 U2.94 U2.95 U2.98

## Polygon pours and split planes (outlines as drawn)
GND on Bottom Layer "C" (solid, remove dead copper, pour order 1): 0,3425 645,3425 645,2666.26 725,2586.26 1275,2586.26 1355,2666.26 1355,3425 5435,3425 5435,0 0,0
GND on Top Layer "GND_TOP" (solid, remove dead copper, pour order 0): 0,3425 645,3425 645,2666.26 725,2586.26 1275,2586.26 1355,2666.26 1355,3425 5435,3425 5435,0 0,0

## Keep-outs
Keep-Out Layer:
  the board outline again, w8

## Other copper
Multi-Layer:
  pour cut-out: 5435,3425 5435,950 5215,950 5215,1490 5075,1630 2770,1630 2695,1705 2695,2375 2650,2420 2650,3425 5345,3425
  pour cut-out: 5435,0 5435,950 2292.63,950 2165,822.37 2165,455 2350,270 2350,0

## Silkscreen, mask and mechanical layers (free items; w line width, h text height)
Top Overlay:
  text "I1" at 2555.02,3050.01 h60
  text "I16" at 5150,3050.01 h60
  text "BeagleNode rev .Revision / 10.2023" at 5325,2055 h50 r90
  text "L" at 5310,1865.01 h60 r90
  text "N" at 5230,1325.01 h60 r90
  text "O1" at 2545.03,320.01 h60
  text "O16" at 5153,285.01 h40
  text "TX" at 600.65,237.35 h35
  text "RX" at 700.65,237.35 h35
  text "GND" at 783.15,237.35 h35
  text "3V3" at 1943.35,237.35 h35
  text "TX" at 2060.84,237.35 h35
  text "RX" at 2160.84,237.35 h35
  text "GND" at 2243.35,237.35 h35

## Dimensions
0,0 to 0,3425.2 on Mechanical 1
0,0 to 5433.07,0 on Mechanical 1

## Text inside footprints (layer, text, board x,y; h text height)
U2: Top Overlay "2" at 1880,2630 h50; Top Overlay "P9" at 1960,2740 h100; Top Overlay "1" at 270,2630 h50; Top Overlay "P8" at 60,2740 h100